# Altium PCB EVK-IRIS-W1.PcbDoc (part 3 of 9) (continued)
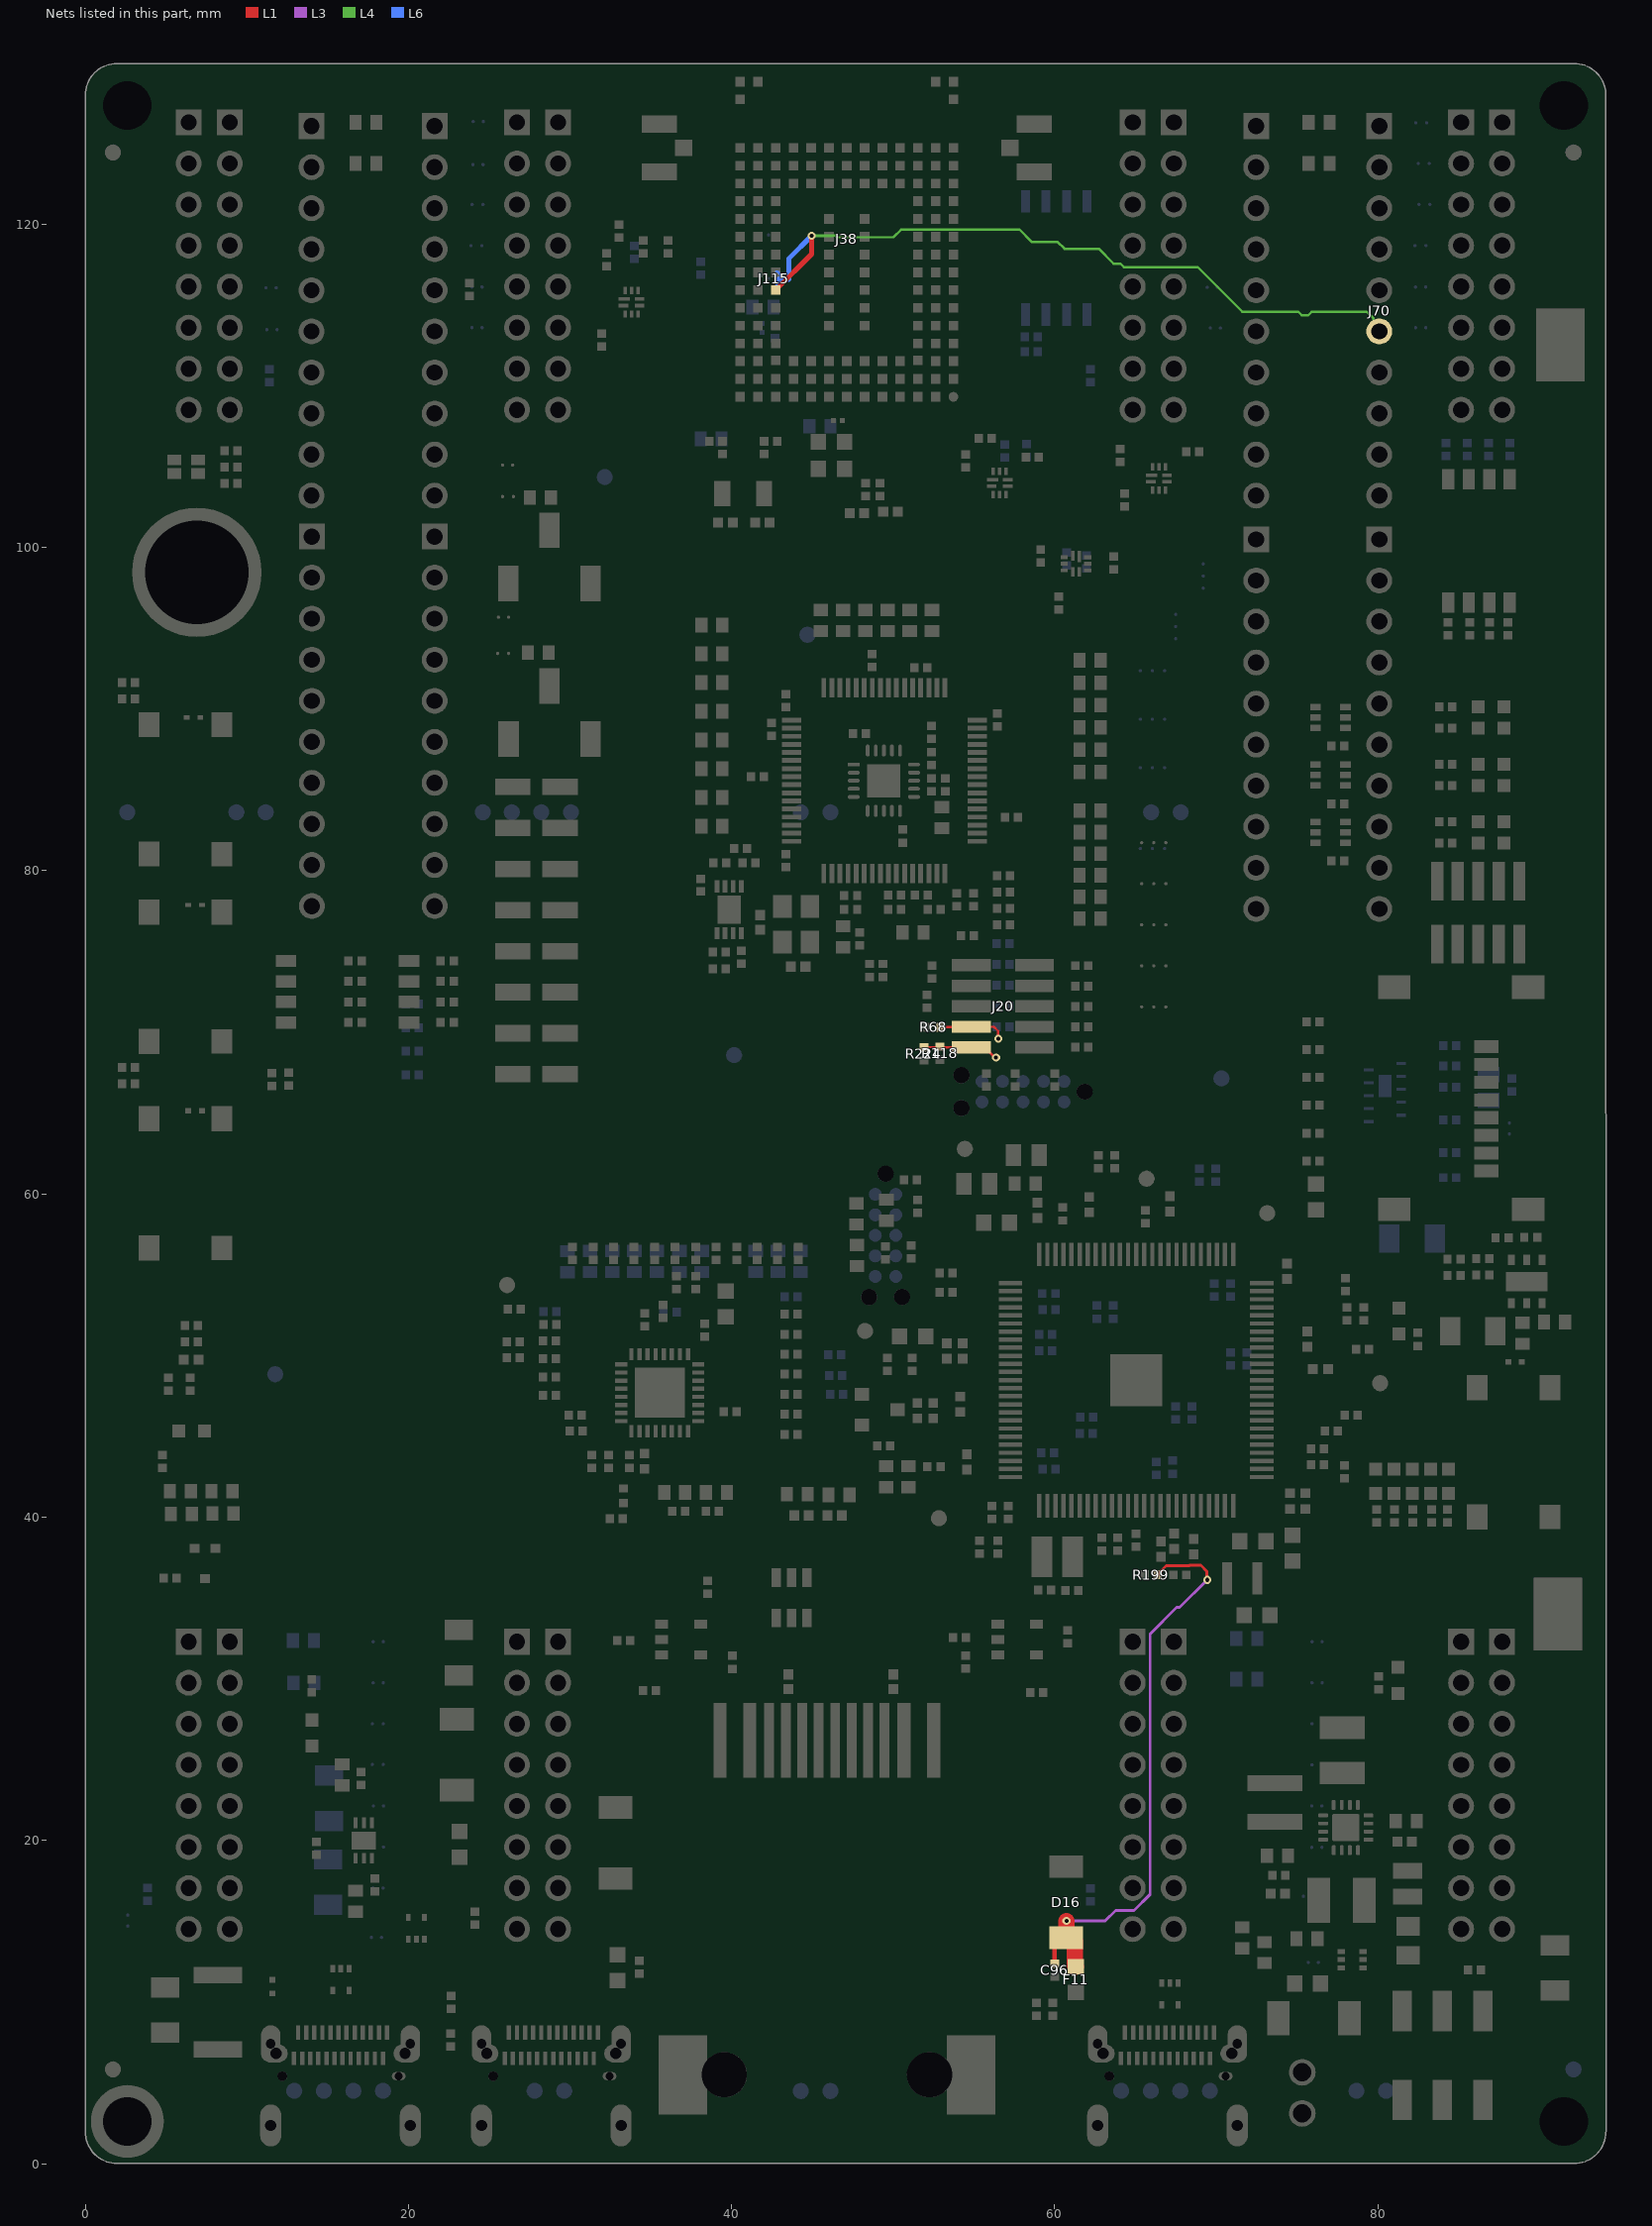
[diagram p7: the nets of this part, all layers, seen from the top]
## Part data (continued)
C95: library part 120-00004, "Cap, Ceramic 2.2uF 10V 10% X5R 0603", Manufacturer 1=Yageo, Manufacturer 2="Samsung Electro-Mechanics America, Inc", Manufacturer Part Number 1=CC0603KRX5R6BB225, Manufacturer Part Number 2=CL10A225KP8NNNC, Max Operating Temp=85, Min Operating Temp=-55, Part Name="CAP CER 2.2UF 10V 10% X5R 0603", Supplier Part Number 1=311-1451-1-ND, Temperature Coefficient=X5R, Tolerance="+/- 10%", Voltage=10V, Height=0.9mm, Item Phase="In Production", Part Number=120-00004, Pins=2, Revision=0A, Size=0603, Supplier 1=Digi-Key, Supplier 2=Digi-Key, Supplier Part Number 2=1276-1085-1-ND, UBX Code=None, Use in new designs=Yes
C96: library part 120-00016, "Cap, Ceramic 0.1uF 10V 10% X5R 0402", Manufacturer="Murata Electronics North America", Manufacturer 2=Yageo, Manufacturer P/N=GRM155R61A104KA01J, Manufacturer P/N 2=CC0402KRX5R6BB104, Part Name="CAP CER 0.1UF 10V 10% X5R 0402", Supplier Part Number 1=490-6297-1-ND, Temperature Coefficient=X5R, Tolerance="+/- 10%", Voltage=10V, Arena Link=https://app.bom.com/a/GYHPV2L2L43KRMBK?v=spec.summary, Component Mounting Type=SMT, Height=0.55mm, Item_Phase=Production, Part Number=120-00016, Part_Type="Ceramic Capacitor", Pins=2, Revision=0A, Size=0402, Supplier 1=Digi-Key, Supplier 2=Digi-Key, Supplier Part Number 2=311-1336-1-ND, Use in new designs=Yes
C108: library part UBXH01-3001004, "CAP CER X5R 1210 10U 10% 25V", Manufacturer="Murata Manufacturing Company, Ltd.", Manufacturer P/N=GRM32DR61E106KA12, Max Voltage=25V, Tolerance=10%, Editor=andreas.thiel, Env=ROHS, Mfg P/N Datasheet=https://wiki.u-blox.com/bin/view/Generic/Docs/DocumentSummary?index=8644, Mfg P/N Released=Yes, Mfg P/N Split=100, Mfg P/N Status=NRND, Part Number=UBXH01-3001004, Part Type=Capacitor, Perferred=NONPREF, Permitted Use="Volume Products", RefDes=C, Release Data=2010-04-01T16:00:35, Released by=johann.furrer, Size=1210, UBX Wiki=https://wiki.u-blox.com/bin/view/Operations/PartDetails?index=5778
C109: library part UBXH01-0047032, "CAP CER X7R 0603 100N 10% 25V", Manufacturer="Murata Manufacturing Company, Ltd.", Manufacturer P/N=GRM188R71E104KA01, Max Voltage=25V, Tolerance=10%, Editor=andreas.thiel, Env=ROHS, Mfg P/N Released=Yes, Mfg P/N Split=100, Mfg P/N Status=NRND, Part Number=UBXH01-0047032, Part Type=Capacitor, Perferred=NONPREF, Permitted Use="Volume Products", RefDes=C, Release Data=2015-06-10T08:26:38, Released by=philippe.largier, Size=0603, UBX Wiki=https://wiki.u-blox.com/bin/view/Operations/PartDetails?index=5642
C110: library part UBXH01-3001005, "CAP CER X5R 1210 22U 10% 25V", Manufacturer="Murata Manufacturing Company, Ltd.", Manufacturer P/N=GRM32ER61E226KE15, Max Voltage=25V, Tolerance=10%, Editor=roland.rust, Env=ROHS, Mfg P/N Released=Yes, Mfg P/N Split=100, Mfg P/N Status=NRND, Part Number=UBXH01-3001005, Part Type=Capacitor, Perferred=PREF, Permitted Use="Volume Products", RefDes=C, Release Data=2009-04-24T15:51:56, Released by=roland.rust, Size=1210, UBX Wiki=https://wiki.u-blox.com/bin/view/Operations/PartDetails?index=5780
C111: library part UBXH01-0023019, "CAP CER X7R 0402 3N3 10% 16V", Manufacturer="Murata Manufacturing Company, Ltd.", Manufacturer P/N=GRM155R71H332KA01, Max Voltage=16V, Tolerance=10%, Editor=dario.antonaz, Env=ROHS, Mfg P/N Datasheet=https://wiki.u-blox.com/bin/view/Generic/Docs/DocumentSummary?index=19430, Mfg P/N Released=Yes, Mfg P/N Split=100, Mfg P/N Status=NRND, Part Number=UBXH01-0023019, Part Type=Capacitor, Perferred=PREF, Permitted Use="Volume Products", RefDes=C, Release Data=2013-08-21T12:21:41, Released by=pierpaolo.arban, Size=0402, UBX Wiki=https://wiki.u-blox.com/bin/view/Operations/PartDetails?index=5479
D1 D15 D21 D22 D23: "Diode, ESD9B, 3.3V, ST5G, SOD-923", Current=None, Manufacturer 1="ON Semiconductor", Manufacturer Part Number 1=ESD9B3.3ST5G, Max Operating Temp=150, MFG Package=SOD-923, Min Operating Temp=-55, Part Name="Diode TVS 3.3V SOD-923", Supplier Part Number 1=ESD9B3.3ST5GOSCT-ND, Voltage=3.3V, Body Size="0.8mm x 0.6mm", Height=0.4mm, Item Phase="In Production", Manufacturer 2="ON Semiconductor", Manufacturer Part Number 2=ESD9B3.3ST5G, Part Number=110-00019, Pins=2, Revision=0A, Supplier 1=Digi-Key, Supplier 2=Arrow, Supplier Part Number 2=ESD9B3.3ST5G, UBX Code=None, Use in new designs=Yes
D2: "LED CHIP 0603 LOW CURRENT VISHAY RED 2mA", Manufacturer=Vishay, Manufacturer P/N="TLMS 1000", Max Current=2mA, Editor=roland.rust, Env=ROHS, Mfg P/N Released=Yes, Mfg P/N Split=100, Mfg P/N Status=Active, Part Number=UBXH11-5006003, Part Type=LED, Perferred=PREF, Permitted Use="Support Products", RefDes=DS, Release Data=2007-04-26T15:06:11, Released by=roland.rust, Size=0603, UBX Wiki=https://wiki.u-blox.com/bin/view/Operations/PartDetails?index=7585
D3: library part CMP-2000-06115-2, "DIODE SCHOTTKY 30V 2A MFLAT", Average Rectified Current=2A, Forward Voltage=370mV, Manufacturer=TOSHIBA, Max Operating Temperature=125°C, Max Repetitive Reverse Voltage (Vrrm)=30V, Max Reverse Leakage Current=3mA, Max Surge Current=40A, Min Operating Temperature=-40°C, Package Quantity=1, Contact Plating=Tin, Element Configuration=Single, Forward Current=2A, Manufacturer P/N=CMS06(TE12L,Q,M), Max Reverse Voltage (DC)=30V, Mount="Surface Mount", Number of Pins=2, Packaging="Tape and Reel", Peak Non-Repetitive Surge Current=40A, Peak Reverse Current=3mA, Radiation Hardening=No
D4 D5 D6 D7 D8 D9 D10 D19 D20: "LED CHIP 0603 LOW CURRENT OSRAM 0.002A GREEN 2.2V 2mA", Manufacturer=Osram, Manufacturer P/N="LG L29K-G2J1-24", Max Current=2mA, Max Operating Temp=85°C, Max Voltage=2.2V, Min Operating Temp=-40°C, Editor=johann.furrer, Env=ROHS, Mfg P/N Datasheet=https://wiki.u-blox.com/bin/view/Generic/Docs/DocumentSummary?index=20620, Mfg P/N Released=Yes, Mfg P/N Split=100, Mfg P/N Status=Active, Part Number=UBXH11-0000018, Part Type=LED, Perferred=PREF, Permitted Use="Volume Products", RefDes=DS, Release Data=2018-01-09T15:31:38, Released by=martin.grasse, Size=0603, UBX Wiki=https://wiki.u-blox.com/bin/view/Operations/PartDetails?index=20619
D11 D14 D18: "TVS Diode, ESD High Speed 3-Channel Array, SOT-553", Current=None, Manufacturer 1="Texas Instruments", Manufacturer Part Number 1=TPD3E001DRLR, Max Operating Temp=85, MFG Package="SOT-553, DRL (R-PDSO-N5)", Min Operating Temp=-40, Part Name="Diode TVS 5V 3CH SOT-553", Supplier Part Number 1=296-21885-1-ND, Voltage=5.5V, Body Size="1.60mm x 1.20mm", Height=0.60mm, Item Phase="In Production", Manufacturer 2=None, Manufacturer Part Number 2=None, Part Number=110-00018, Pins=5, Revision=0A, Supplier 1=Digi-Key, Supplier 2=None, Supplier Part Number 2=None, UBX Code=None, Use in new designs=Yes
D12 D16: library part CMP-2000-06115-2, "Diode Schottky 30 V 2A Surface Mount M-FLAT (2.4x3.8)", Average Rectified Current=2A, Forward Voltage=370mV, Manufacturer=Toshiba, Max Operating Temperature=125°C, Max Repetitive Reverse Voltage (Vrrm)=30V, Max Reverse Leakage Current=3mA, Max Surge Current=40A, Min Operating Temperature=-40°C, Package Quantity=1, Contact Plating=Tin, Element Configuration=Single, Forward Current=2A, Manufacturer P/N=CMS06(TE12L,Q,M), Max Reverse Voltage (DC)=30V, Mount="Surface Mount", Number of Pins=2, Packaging="Tape and Reel", Peak Non-Repetitive Surge Current=40A, Peak Reverse Current=3mA, Radiation Hardening=No
D13: library part CMP-2000-06115-2, "Diode Schottky 30 V 2A Surface Mount M-FLAT (2.4x3.8)", Average Rectified Current=2A, Forward Voltage=370mV, Manufacturer=TOSHIBA, Max Operating Temperature=125°C, Max Repetitive Reverse Voltage (Vrrm)=30V, Max Reverse Leakage Current=3mA, Max Surge Current=40A, Min Operating Temperature=-40°C, Package Quantity=1, Contact Plating=Tin, Element Configuration=Single, Forward Current=2A, Manufacturer P/N=CMS06(TE12L,Q,M), Max Reverse Voltage (DC)=30V, Mount="Surface Mount", Number of Pins=2, Packaging="Tape and Reel", Peak Non-Repetitive Surge Current=40A, Peak Reverse Current=3mA, Radiation Hardening=No
D17: "TVS Diode (Uni-directional)", Manufacturer_Name=SEMTECH, Mouser Part Number=947-SRV05-4.TCT, Arrow Part Number=SRV05-4.TCT, Arrow Price/Stock=https://www.arrow.com/en/products/srv05-4.tct/semtech?region=nac, Datasheet Link=https://datasheet.datasheetarchive.com/originals/distributors/Datasheets-DGA26/1842016.pdf, Height=1.45mm, Manufacturer_Part_Number=SRV05-4.TCT, Mouser Price/Stock=https://www.mouser.co.uk/ProductDetail/Semtech/SRV05-4.TCT?qs=rBWM4%252BvDhIe0tfPjqKjR5Q%3D%3D
F1 F2 F8: "FERRITE BEAD MURATA BLM18PG 0603 120R@100MHZ 2A", Manufacturer="Murata Manufacturing Company, Ltd.", Manufacturer P/N=BLM18PG121SH1, Max Current=2A, Max Operating Temp=125°C, Min Operating Temp=-40°C, Editor=evgenii.platonov, Env=ROHS, Mfg P/N Released=No, Mfg P/N Split=100, Mfg P/N Status=Active, Part Number=UBXH08-0000038, Part Type=Ferrite, Perferred=PREF, Permitted Use="Volume Products", RefDes=FB, Size=0603, UBX Wiki=https://wiki.u-blox.com/bin/view/Operations/PartDetails?index=32502
F3 F4 F5: "FERRITE BEAD 0603 600 OHM AT 100MHZ 600OHM 500mA", Manufacturer="TDK Corporation", Manufacturer P/N=MMZ1608B601C, Max Current=500mA, Max Operating Temp=125°C, Min Operating Temp=-40°C, Editor=daniel.hurni, Env=ROHS, Mfg P/N Datasheet=https://wiki.u-blox.com/bin/view/Generic/Docs/DocumentSummary?index=7941, Mfg P/N Released=Yes, Mfg P/N Split=100, Mfg P/N Status=Active, Part Number=UBXH08-0000001, Part Type=Ferrite, Perferred=PREF, Permitted Use="Support Products", RefDes=FB, Release Data=2009-12-02T10:18:36, Released by=martin.frauchiger, Size=0603, UBX Wiki=https://wiki.u-blox.com/bin/view/Operations/PartDetails?index=7960
F6: "FERRITE BEAD 0402 120 OHM AT 100MHZ 120OHM 500mA", Manufacturer="TDK Corporation", Manufacturer P/N=MMZ1005S121C, Max Current=500mA, Max Operating Temp=125°C, Min Operating Temp=-40°C, Editor=roland.rust, Env=N/A, Mfg P/N Datasheet=https://wiki.u-blox.com/bin/view/Generic/Docs/DocumentSummary?index=7940, Mfg P/N Released=No, Mfg P/N Split=100, Mfg P/N Status=Active, Part Number=UBXH08-0000000, Part Type=Ferrite, Perferred=N/A, Permitted Use="Support Products", RefDes=FB, Size=0402, UBX Wiki=https://wiki.u-blox.com/bin/view/Operations/PartDetails?index=7958
F7 F9 F10: "FERRITE BEAD MURATA BLM18HD 0603 600R@100MHZ", Manufacturer="Murata Manufacturing Company, Ltd.", Manufacturer P/N=BLM18HD601SN1, Editor=roland.rust, Env=ROHS, Mfg P/N Released=Yes, Mfg P/N Split=100, Mfg P/N Status=Active, Part Number=UBXH08-0041002, Part Type=Ferrite, Perferred=PREF, Permitted Use="Volume Products", RefDes=FB, Release Data=2005-07-22T13:59:44, Released by=roland.rust, Size=0603, UBX Wiki=https://wiki.u-blox.com/bin/view/Operations/PartDetails?index=7112
F11: "FERRITE BEAD 33 OHM 0603 1LN", Current=3A, Manufacturer 1="Murata Electronics North America", Manufacturer 2=None, Manufacturer Part Number 1=BLM18PG330SN1D, Max Operating Temp=125, MFG Package=0603, Min Operating Temp=-55, Part Name="Ferrite Bead 33 OHM 0603", Supplier Part Number 1=490-5220-1-ND, Body Size="1.60mm x 0.80mm", Height=0.95mm, Item Phase=Pre-Production, Manufacturer Part Number 2=None, Part Number=155-00012, Pins=2, Revision=1, Size=0603, Supplier 1=Digi-Key, Supplier 2=None, Supplier Part Number 2=None, UBX Code=None, Use in new designs=Yes, Voltage=None
FB3: "Ferrite Bead, 220ohm @ 100MHz, 2A, 0603", Current=2A, Manufacturer 1="Murata Electronics North America", Manufacturer 2=None, Manufacturer Part Number 1=BLM18EG221SN1D, Max Operating Temp=85, Min Operating Temp=-55, Part Name="Ferrite Bead 220ohm 2A 0503", Supplier Part Number 1=490-3992-2-ND, Body Size=None, Height=0.8mm, Item Phase=Unreleased, Manufacturer Part Number 2=None, MFG Package=None, Part Number=BLM18EG221SN1, Pins=None, Revision=None, Size=0603, Supplier 1=Digi-Key, Supplier 2=None, Supplier Part Number 2=None, UBX Code=None, Use in new designs=Yes, Voltage=None
FD1 FD2 FD3 FD4 FD5 FD6: library part Fiducial_1mm_Circle, "1mm Fiducial Target", Part Number=Fiducial_1mm, Added By=EMOO, Added Date=12/12/2020, DNP=DNP, Height=0
J1 J2 J5 J6 J8 J9 J12 J13 J21 J22 J23 J24 J29 J30 J31 J32: "Socket, 0.100\" Pitch, 8 Pin, Vert TH, Black", Manufacturer 1="Samtec Inc.", Manufacturer 2=None, Part Name="CON HDR 0.1\" 8 Pin 1 Row TH Vert", Diameter=None, Item Phase="In Production", Manufacturer Part Number 1=PPTC081LFBN-RC, Manufacturer Part Number 2=None, Max Operating Temp=None, Min Operating Temp=None, Part Number=PPTC081LFBN-RC, Pins=8, Revision=0A, Supplier 1=None, Supplier 2=None, Supplier Part Number 1=None, Supplier Part Number 2=None, UBX Code=None, Use in new designs=Yes, Voltage=None
J3 J4 J10 J43 J44 J47 J48 J70: "Header, 0.100\" Pitch, 10Pin, 10x1, Through Hole", Manufacturer 1=FCI, Manufacturer 2=None, Manufacturer Part Number 1=68002-210HLF, Part Name="CON Header 0.1in 10Pin 1Row TH", Supplier Part Number 1=609-3301-ND, Diameter=None, Height="0.32\"", Item Phase=Unreleased, Manufacturer Part Number 2=None, Max Operating Temp=None, Min Operating Temp=None, Part Number=130-00046, Pins=10, Revision=None, Supplier 1=Digi-Key, Supplier 2=None, Supplier Part Number 2=None, UBX Code=None, Use in new designs=Yes, Voltage=None
J7 J67: "Header, 0.100\" Pitch, 3 Pin, Vertical SMT, Black", Manufacturer 1="Harwin Inc", Manufacturer 2="Greenconn Corporation", Manufacturer Part Number 1=M20-8770342, Manufacturer Part Number 2=GPHC1010302A081B1BD, Max Operating Temp=None, Part Name="CON HDR 0.1\" 3 Pin 1 Row SMT", Supplier Part Number 1=952-1951-ND, Diameter=None, Height=9.93mm, Item Phase="In Production", Min Operating Temp=None, Part Number=130-00105, Pins=3, Revision=0C, Supplier 1=Digi-Key, Supplier 2="Teamwise Limited", Supplier Part Number 2="Greenconn Corporation GPHC1010302A081B1BD", UBX Code=None, Use in new designs=Yes, Voltage=None
J11 J61 J62 J73 J74 J75 J76 J77 J78 J79 J80 J81 J82 J83 J84 J85 J86 J87 J89 J90 J92 J93 J94 J95 J115 J116: library part Solderbridge-Open, "Solderbridge-Open", Added By="Paul B", Added Date=12/2/2015, DNP=DNP, Height=0, Part Number=Solderbridge-Open
J14 J16 J17 J18 J19 J25 J26 J27 J28 J88 J91 J96 J97 J99: library part Solderbridge-Short, "Solderbridge-Short", Added By="Paul B", Added Date=12/2/2015, DNP=DNP, Height=0, Part Number=Solderbridge-Short
J15 J34 J35 J36 J37 J55 J56 J57 J58 J59 J60: library part Solderbridge-Option, "Solderbridge-Option", Added By="Paul B", DNP=DNP, Height=0, Part Number=Solderbridge-Option
  J15 J34 J35 J36 J37: Added Date=2015-12-03
  J55 J56 J57 J58 J59 J60: Added Date=12/3/2015
J20 J39: "Header 0.05\" 10Pin 2Row SMD Black", Manufacturer 1=Samtec, Manufacturer 2=None, Manufacturer Part Number 1=FTSH-105-01-F-DV-K, Max Operating Temp=125, Min Operating Temp=-55, Part Name="CON HDR 0.05\" 10Pin 2Row SMD Black", Supplier Part Number 1=SAM8796-ND, Diameter=None, Height=6mm, Item Phase="In Production", Manufacturer Part Number 2=None, Part Number=130-00099, Pins=10, Revision=0A, Supplier 1=Digi-Key, Supplier 2=None, Supplier Part Number 2=None, UBX Code=None, Use in new designs=Yes, Voltage=None
J33 J45: library part TC2050-IDC-NL, "CON PADS FOR CBL PLUG-OF-NAILS 10-PIN NO LEGS", Manufacturer="TAG Connect", Added By="Paul B", Added Date=12/3/2015, DNP=DNP, Height=0, Manufacturer P/N=TC2050-IDC-NL, Part Number=TC2050-IDC-NL, Size="6.1mm x 9.9mm"
J38: library part UBXH14-0000681, "SHORT RANGE STAND-ALONE MULTIRADIO MODULE U-BLOX IRIS-W106", Max Operating Temp=85°C, Min Operating Temp=-40°C, Editor=olof.viklund, Env=ROHS, Part Number=UBXH14-0000681, Part Type=RF, Perferred=PREF, Permitted Use="Volume Products", RefDes=A, UBX Wiki=https://wiki.u-blox.com/bin/view/Operations/PartDetails?index=38240
J40 J41: "U.FL jack, SMA 50 ohm, 3 pin, SMT", Manufacturer 1="Hirose Electric Co Ltd", Manufacturer 2="Dongguan Qintai Electronics Co, Ltd.", Manufacturer Part Number 1=U.FL-R-SMT(10), Manufacturer Part Number 2=MHF-RT-1, Max Operating Temp=90, Min Operating Temp=-40, Part Name="CON RF UMC U.FL Jack 3Pin SMT", Supplier Part Number 1=H9161CT-ND, Voltage=None, Diameter=None, Height=1.25mm, Item Phase="In Production", Part Number=130-00067, Pins=3, Revision=0A, Supplier 1=Digi-Key, Supplier 2="Rayson Technology co., ltd", Supplier Part Number 2=MHF-RT-1, UBX Code=UBXH04-0001026, Use in new designs=Yes
J42: "No Description Available", Mfr_Name="Wurth Electronics", RefDes=RefDes, Type=Type
J72 J98 J101: "Connector, USB-C Receptacle, 24 Position, Surface Mount, Right Angle, Horizontal, 20V", Manufacturer 1="JAE Electronics", Manufacturer 2=None, Manufacturer Part Number 1=DX07S024JJ3R1300, Max Operating Temp=80, Min Operating Temp=-30, Part Name="CON USB C 0.5 mm 24 Pin 2 Row Right Angle White", Supplier Part Number 1=670-2846-1-ND, Voltage=20V, Diameter=None, Height=3.29mm, Item Phase=Unreleased, Manufacturer Part Number 2=None, Part Number=130-00150, Pins=24, Revision=None, Supplier 1=Digi-Key, Supplier 2=None, Supplier Part Number 2=None, UBX Code=None, Use in new designs=Yes
J100: "Micro SD Card Socket, Right Angle, with 4 Ground Pads, SMT", Manufacturer 1="Molex Inc", Manufacturer 2=None, Manufacturer Part Number 1=0472192001, Part Name="CON Micro SD 1.1mm 8Pin 1Row SMT RA", Supplier Part Number 1=WM6698CT-ND, Diameter=None, Height=1.9mm, Item Phase="In Production", Manufacturer Part Number 2=None, Max Operating Temp=None, Min Operating Temp=None, Part Number=130-00062, Pins=8, Revision=0A, Supplier 1=Digi-Key, Supplier 2=None, Supplier Part Number 2=None, UBX Code=None, Use in new designs=Yes, Voltage=None
J117: "Socket Strip 0.1\" 8 Pin 1Row SMD Black", Manufacturer 1=Samtec, Manufacturer 2="Sullins Connector Solutions", Manufacturer Part Number 1=SSM-108-F-SV-P-TR, Manufacturer Part Number 2=NPPC081KFXC-RC, Max Operating Temp=105, Min Operating Temp=-55, Part Name="CON SKT Strip 0.1\" 8Pin 1Row SMD Black", Voltage=572VDC, Diameter=None, Height=7.37mm, Item Phase="In Production", Part Number=130-00102, Pins=8, Revision=0D, Supplier 1=Avnet, Supplier 2=Digi-Key, Supplier Part Number 1=SSM-108-F-SV-P-TR, Supplier Part Number 2=S5639-ND, UBX Code=None, Use in new designs=Yes
L1: "No Description Available", Mfr_Name=Murata, Copyright="Copyright (C) 2023 Ultra Librarian. All rights reserved.", Manufacturer_Part_Number=LQH2HPN4R7MJRL, RefDes=RefDes, Type=DEV
L2: library part UBXH09-0000025, "IND MURATA LQM2MP 0806 2U2 30% 1.2A", Manufacturer="Murata Manufacturing Company, Ltd.", Manufacturer P/N=LQM2MPN2R2NG0, Max Current=1.2A, Max Operating Temp=125°C, Min Operating Temp=-55°C, Tolerance=30%, Editor=martin.pilik, Env=GREEN, Mfg P/N Datasheet=https://wiki.u-blox.com/bin/view/Generic/Docs/DocumentSummary?index=9215, Mfg P/N Released=Yes, Mfg P/N Split=100, Mfg P/N Status=Active, Part Number=UBXH09-0000025, Part Type=Inductor, Perferred=PREF, Permitted Use="Volume Products", RefDes=L, Release Data=2021-05-07T14:56:17, Released by=fabrice.bret-dibat, Size=0806, UBX Wiki=https://wiki.u-blox.com/bin/view/Operations/PartDetails?index=9109
L3: library part UBXH09-0000176, "SHIELDED POWER INDUCTOR XFL4020 2U2 20% 3.1A", Manufacturer=Coilcraft, Manufacturer P/N=XFL4020-222ME, Max Current=3.1A, Max Operating Temp=125°C, Min Operating Temp=-40°C, Tolerance=20%, Editor=roland.rust, Env=ROHS, Mfg P/N Datasheet=https://wiki.u-blox.com/bin/view/Generic/Docs/DocumentSummary?index=22577, Mfg P/N Released=Yes, Mfg P/N Split=100, Mfg P/N Status=Active, Part Number=UBXH09-0000176, Part Type=Inductor, Perferred=PREF, Permitted Use="Support Products", RefDes=L, Release Data=2015-06-17T10:51:21, Released by=olof.viklund, Size=0x0y, UBX Wiki=https://wiki.u-blox.com/bin/view/Operations/PartDetails?index=22578
LED1 LED2 LED3 LED4 LED5: "LED", Manufacturer_Name=OSRAM, Manufacturer_Part_Number="LS L29K-H1J2-1", Mouser Part Number=720-LSL29K-H1J2-1-Z, Mouser Price/Stock=https://www.mouser.com/Search/Refine.aspx?Keyword=720-LSL29K-H1J2-1-Z
Q2: "N-MOSFET, 60V, 310mA, SOT-323-3", Current=310mA, Manufacturer 1="Fairchild Semiconductor", Manufacturer 2=None, Manufacturer Part Number 1=2N7002KW, Max Operating Temp=150, MFG Package=SOT-323, Min Operating Temp=-55, Part Name="MOSFET N-CH 60V 310mA SOT-323", Supplier Part Number 1=2N7002KWCT-ND, Voltage=60V, Body Size=None, Height=0.95mm, Item Phase=Pre-Production, Manufacturer Part Number 2=None, Part Number=140-00017, Pins=3, Revision=1, Supplier 1=Digi-Key, Supplier 2=None, Supplier Part Number 2=None, Thermal Pad=No, Transistor Type=N-Channel, UBX Code=None, Use in new designs=Yes
R1 R3 R4 R5 R6 R7 R8 R9 R10 R11 R19 R21 R37 R38 R41 R42 R46 R52 R53 R54 R55 R56 R57 R58 R59 R60 R61 R63 R64 R65 R66 R67 R70 R71: library part UBXH18-0000400, "RES THICK FILM CHIP 0603 25PPM 1K0 0.1% 100mW", Manufacturer=YAGEO, Manufacturer P/N=RT0603BRD071KL, Max Operating Temp=155°C, Max Power=100mW, Min Operating Temp=-55°C, Tolerance=0.1%, Editor=martin.kessel, Env=ROHS, Mfg P/N Released=No, Mfg P/N Split=100, Mfg P/N Status=Active, Part Number=UBXH18-0000400, Part Type=Resistor, Perferred=PREF, Permitted Use="Internal Use", RefDes=R, Size=0603, UBX Wiki=https://wiki.u-blox.com/bin/view/Operations/PartDetails?index=27323
R2 R12 R13 R32 R33 R34 R36 R43 R44 R45 R47 R48 R50 R51 R68 R111 R116 R117 R118 R119 R125 R127 R128 R129 R132 R134 R136 R138 R139 R140 R141 R142 R143 R144 R147 R148 R149 R151 R153 R154 R177 R184 R185 R204 R206 R208 R210 R212 R213 R214 R215 R216 R218 R222 R251 R253 R255 R257 R259 R260 R261 R262 R263 R265 R267 R268 R271 R272 R275 R276 R279 R280 R281 R285 R290 R291 R292 R293 R294 R296: library part UBXH18-0003002, "RES THICK FILM CHIP 0402 0R 0 100mW", Manufacturer=KOA, Manufacturer 2=YAGEO, Manufacturer P/N=RK73Z1ETTD, Manufacturer P/N 2=2322_705_91001_L, Max Power=100mW, Tolerance=0, Editor=charlotte.biber, Env=ROHS, Mfg P/N Released=Yes, Mfg P/N Released 2=Yes, Mfg P/N Split=100, Mfg P/N Split 2=0, Mfg P/N Status=NRND, Mfg P/N Status 2=NRND, Part Number=UBXH18-0003002, Part Type=Resistor, Perferred=PREF, Permitted Use="Volume Products", RefDes=R, Released by=peter.mueller, Size=0402, UBX Wiki=https://wiki.u-blox.com/bin/view/Operations/PartDetails?index=6611
  R2 R12 R13 R32 R33 R34 R36 R43 R44 R45 R47 R48 R50 R51 R68 R111 R116 R117 R118 R119 R125 R127 R128 R129 R132 R134 R136 R138 R139 R140 R141 R142 R143 R147 R148 R149 R153 R154 R177 R184 R185 R204 R206 R210 R212 R213 R214 R215 R216 R218 R222 R251 R253 R255 R257 R259 R260 R261 R262 R263 R265 R267 R268 R271 R272 R275 R276 R279 R280 R281 R285 R290 R291 R292 R293 R294 R296: Release Data=2012-06-05T09:49:55
  R144 R151 R208: Release Data="2012-06-05 09:49:55.978616"
R14: library part UBXH18-0000504, "RES THIN FILM CHIP 0402 100R 0.1% 100mW", Manufacturer=YAGEO, Manufacturer P/N=RT0402BRD07100RL, Max Operating Temp=155°C, Max Power=100mW, Min Operating Temp=-55°C, Tolerance=0.1%, Editor=martin.kessel, Env=ROHS, Mfg P/N Datasheet=https://wiki.u-blox.com/bin/view/Generic/Docs/DocumentSummary?index=19276, Mfg P/N Released=No, Mfg P/N Split=100, Mfg P/N Status=Active, Part Number=UBXH18-0000504, Part Type=Resistor, Perferred=PREF, Permitted Use="Internal Use", RefDes=R, Size=0402, UBX Wiki=https://wiki.u-blox.com/bin/view/Operations/PartDetails?index=31120
R15 R18 R20 R25 R26 R27 R29 R30 R31 R82 R94 R99 R103 R159 R164 R168: library part UBXH18-0000213, "RES THICK FILM CHIP 0402 4K7 1% 63mW", Manufacturer=KOA, Manufacturer P/N=RK73H1ETTP4701F, Max Power=63mW, Tolerance=1%, Automotive=Yes, Editor=michael.hein, Env=ROHS, Mfg P/N Datasheet=https://wiki.u-blox.com/bin/view/Generic/Docs/DocumentSummary?index=8222, Mfg P/N Released=Yes, Mfg P/N Split=100, Mfg P/N Status=Active, Part Number=UBXH18-0000213, Part Type=Resistor, Perferred=PREF, Permitted Use="Volume Products", RefDes=R, Release Data=2015-10-02T11:47:33, Released by=vasyl.dykyy, Size=0402, UBX Wiki=https://wiki.u-blox.com/bin/view/Operations/PartDetails?index=23300
R16 R17 R22 R23: library part UBXH18-0000118, "RES THICK FILM CHIP 0603 49R9 1% 100mW", Manufacturer=YAGEO, Manufacturer P/N=RC0603FR-0749R9L, Max Operating Temp=155°C, Max Power=100mW, Min Operating Temp=-55°C, Tolerance=1%, Editor=peter.mueller, Env=ROHS, Mfg P/N Released=No, Mfg P/N Split=100, Mfg P/N Status=Active, Part Number=UBXH18-0000118, Part Type=Resistor, Perferred=PREF, Permitted Use="Internal Use", RefDes=R, Size=0603, UBX Wiki=https://wiki.u-blox.com/bin/view/Operations/PartDetails?index=19355
R24 R28: library part 180-00125, "Resistor, 27ohm, 1%, 1/16W, 0402", Manufacturer 1="Panasonic Electronic Components", Manufacturer 2=Yageo, Manufacturer Part Number 1=ERJ-2RKF27R0X, Manufacturer Part Number 2=RC0402FR-0727RL, Max Operating Temp=155, Min Operating Temp=-55, Part Name="RES SMD 27 OHM 1% 1/16W 0402", Power=1/16W, Supplier Part Number 1=P27.0LCT-ND, Tolerance="+/- 1%", Voltage=None, Height=0.4mm, Item Phase="In Production", Part Number=180-00125, Pins=2, Revision=0C, Size=0402, Supplier 1=Digi-Key, Supplier 2=Digi-Key, Supplier Part Number 2=YAG3086CT-ND, UBX Code=None, Use in new designs=Yes
R35 R40 R62 R115 R126 R181 R264 R266 R269 R270 R273 R277 R278 R282 R283 R284 R286: library part UBXH18-0003001, "RES THICK FILM CHIP 0603 0R 0 100mW", Manufacturer=YAGEO, Manufacturer P/N=RC0603JR-070RL, Max Power=100mW, Tolerance=0, Editor=martin.frauchiger, Env=ROHS, Mfg P/N Released=Yes, Mfg P/N Split=100, Mfg P/N Status=Active, Part Number=UBXH18-0003001, Part Type=Resistor, Perferred=PREF, Permitted Use="Volume Products", RefDes=R, Release Data=2005-07-14T10:55:51, Released by=martin.frauchiger, Size=0603, UBX Wiki=https://wiki.u-blox.com/bin/view/Operations/PartDetails?index=6609
R39 R49 R104 R105 R112 R113 R175 R176 R178 R183 R217: library part UBXH18-0000005, "RES THICK FILM CHIP 0402 100K 1% 63mW", Manufacturer=KOA, Manufacturer 2=ROHM, Manufacturer P/N=RK73H1ETTP1003F, Manufacturer P/N 2=MCR01MZPF1003, Max Power=63mW, Tolerance=1%, Editor=dario.antonaz, Env=ROHS, Mfg P/N Datasheet=https://wiki.u-blox.com/bin/view/Generic/Docs/DocumentSummary?index=8222, Mfg P/N Datasheet 2=https://wiki.u-blox.com/bin/view/Generic/Docs/DocumentSummary?index=8186, Mfg P/N Released=Yes, Mfg P/N Released 2=Yes, Mfg P/N Split=100, Mfg P/N Split 2=0, Mfg P/N Status=Active, Mfg P/N Status 2=Active, Part Number=UBXH18-0000005, Part Type=Resistor, Perferred=N/A, Permitted Use="Volume Products", RefDes=R, Release Data=2009-11-30T11:05:22, Released by=sandro.sestan, Size=0402, UBX Wiki=https://wiki.u-blox.com/bin/view/Operations/PartDetails?index=8114
R69 R72 R73 R74 R75 R76 R78 R80 R93 R110 R289: library part UBXH18-0008041, "RES THICK FILM CHIP 0402 470R 5% 100mW", Manufacturer=ROHM, Manufacturer 2=KOA, Manufacturer 3=YAGEO, Manufacturer P/N=MCR01MZPJ471, Manufacturer P/N 2=RK73B1ETTP471J, Manufacturer P/N 3=2322_705_87471_L, Max Power=100mW, Tolerance=5%, Editor=roland.rust, Env=ROHS, Mfg P/N Released=Yes, Mfg P/N Released 2=Yes, Mfg P/N Released 3=Yes, Mfg P/N Split=100, Mfg P/N Split 2=0, Mfg P/N Split 3=0, Mfg P/N Status=Active, Mfg P/N Status 2=Active, Mfg P/N Status 3=NRND, Part Number=UBXH18-0008041, Part Type=Resistor, Perferred=PREF, Permitted Use="Volume Products", RefDes=R, Release Data=2009-04-24T14:36:39, Released by=roland.rust, Size=0402, UBX Wiki=https://wiki.u-blox.com/bin/view/Operations/PartDetails?index=6926
R77: library part UBXH18-0008046, "RES THICK FILM CHIP 0402 750R 5% 100mW", Manufacturer=Panasonic, Manufacturer P/N=ERJ2GEJ751X, Max Power=100mW, Tolerance=5%, Editor=jaka.bevk, Env=ROHS, Mfg P/N Datasheet=https://wiki.u-blox.com/bin/view/Generic/Docs/DocumentSummary?index=21267, Mfg P/N Released=Yes, Mfg P/N Split=100, Mfg P/N Status=Active, Part Number=UBXH18-0008046, Part Type=Resistor, Perferred=PREF, Permitted Use="Volume Products", RefDes=R, Release Data=2014-10-03T09:31:33, Released by=erian.bezhani, Size=0402, UBX Wiki=https://wiki.u-blox.com/bin/view/Operations/PartDetails?index=6935
R79: library part UBXH18-0000216, "RES THICK FILM CHIP 0402 360R 1% 63mW", Manufacturer=KOA, Manufacturer P/N=RK73H1ETTP3600F, Max Power=63mW, Tolerance=1%, Automotive=Yes, Editor=michael.hein, Env=ROHS, Mfg P/N Datasheet=https://wiki.u-blox.com/bin/view/Generic/Docs/DocumentSummary?index=8222, Mfg P/N Released=Yes, Mfg P/N Split=100, Mfg P/N Status=Active, Part Number=UBXH18-0000216, Part Type=Resistor, Perferred=PREF, Permitted Use="Volume Products", RefDes=R, Release Data=2015-10-02T11:55:45, Released by=vasyl.dykyy, Size=0402, UBX Wiki=https://wiki.u-blox.com/bin/view/Operations/PartDetails?index=23306
R81: library part UBXH18-0008097, "RES THICK FILM CHIP 0402 100K 5% 100mW", Manufacturer=YAGEO, Manufacturer 2=KOA, Manufacturer P/N=2322_705_70104_L, Manufacturer P/N 2=RK73B1ETTD104J, Max Power=100mW, Tolerance=5%, Editor=roland.rust, Env=ROHS, Mfg P/N Released=Yes, Mfg P/N Released 2=Yes, Mfg P/N Split=100, Mfg P/N Split 2=0, Mfg P/N Status=NRND, Mfg P/N Status 2=NRND, Part Number=UBXH18-0008097, Part Type=Resistor, Perferred=PREF, Permitted Use="Volume Products", RefDes=R, Release Data=2005-07-22T13:59:44, Released by=roland.rust, Size=0402, UBX Wiki=https://wiki.u-blox.com/bin/view/Operations/PartDetails?index=7020
R83 R97 R98 R100 R101 R102: library part UBXH18-0008013, "RES THICK FILM CHIP 0402 33R 5% 50V 63mW", Manufacturer=KOA, Manufacturer P/N=RK73B1ETTP330J, Max Power=63mW, Max Voltage=50V, Tolerance=5%, Editor=matej.budin, Env=ROHS, Mfg P/N Datasheet=https://wiki.u-blox.com/bin/view/Generic/Docs/DocumentSummary?index=18259, Mfg P/N Released=Yes, Mfg P/N Split=100, Mfg P/N Status=Active, Part Number=UBXH18-0008013, Part Type=Resistor, Perferred=PREF, Permitted Use="Volume Products", RefDes=R, Release Data=2013-01-10T15:04:42, Released by=erian.bezhani, Size=0402, UBX Wiki=https://wiki.u-blox.com/bin/view/Operations/PartDetails?index=6887
R84: library part UBXH18-0000137, "RES THICK FILM CHIP 0402 12K 1% 63mW", Manufacturer=Vishay, Manufacturer P/N=CRCW040212K0FKED, Max Operating Temp=125°C, Max Power=63mW, Min Operating Temp=-55°C, Tolerance=1%, Editor=matej.budin, Env=ROHS, Mfg P/N Datasheet=https://wiki.u-blox.com/bin/view/Generic/Docs/DocumentSummary?index=21077, Mfg P/N Released=Yes, Mfg P/N Split=100, Mfg P/N Status=Active, Part Number=UBXH18-0000137, Part Type=Resistor, Perferred=PREF, Permitted Use="Support Products", RefDes=R, Release Data=2014-08-26T10:20:00, Released by=gabriele.capello, Size=0402, UBX Wiki=https://wiki.u-blox.com/bin/view/Operations/PartDetails?index=21075